# KiCad board RUSP_Mainboard_panelMockup.kicad_pcb (continued)
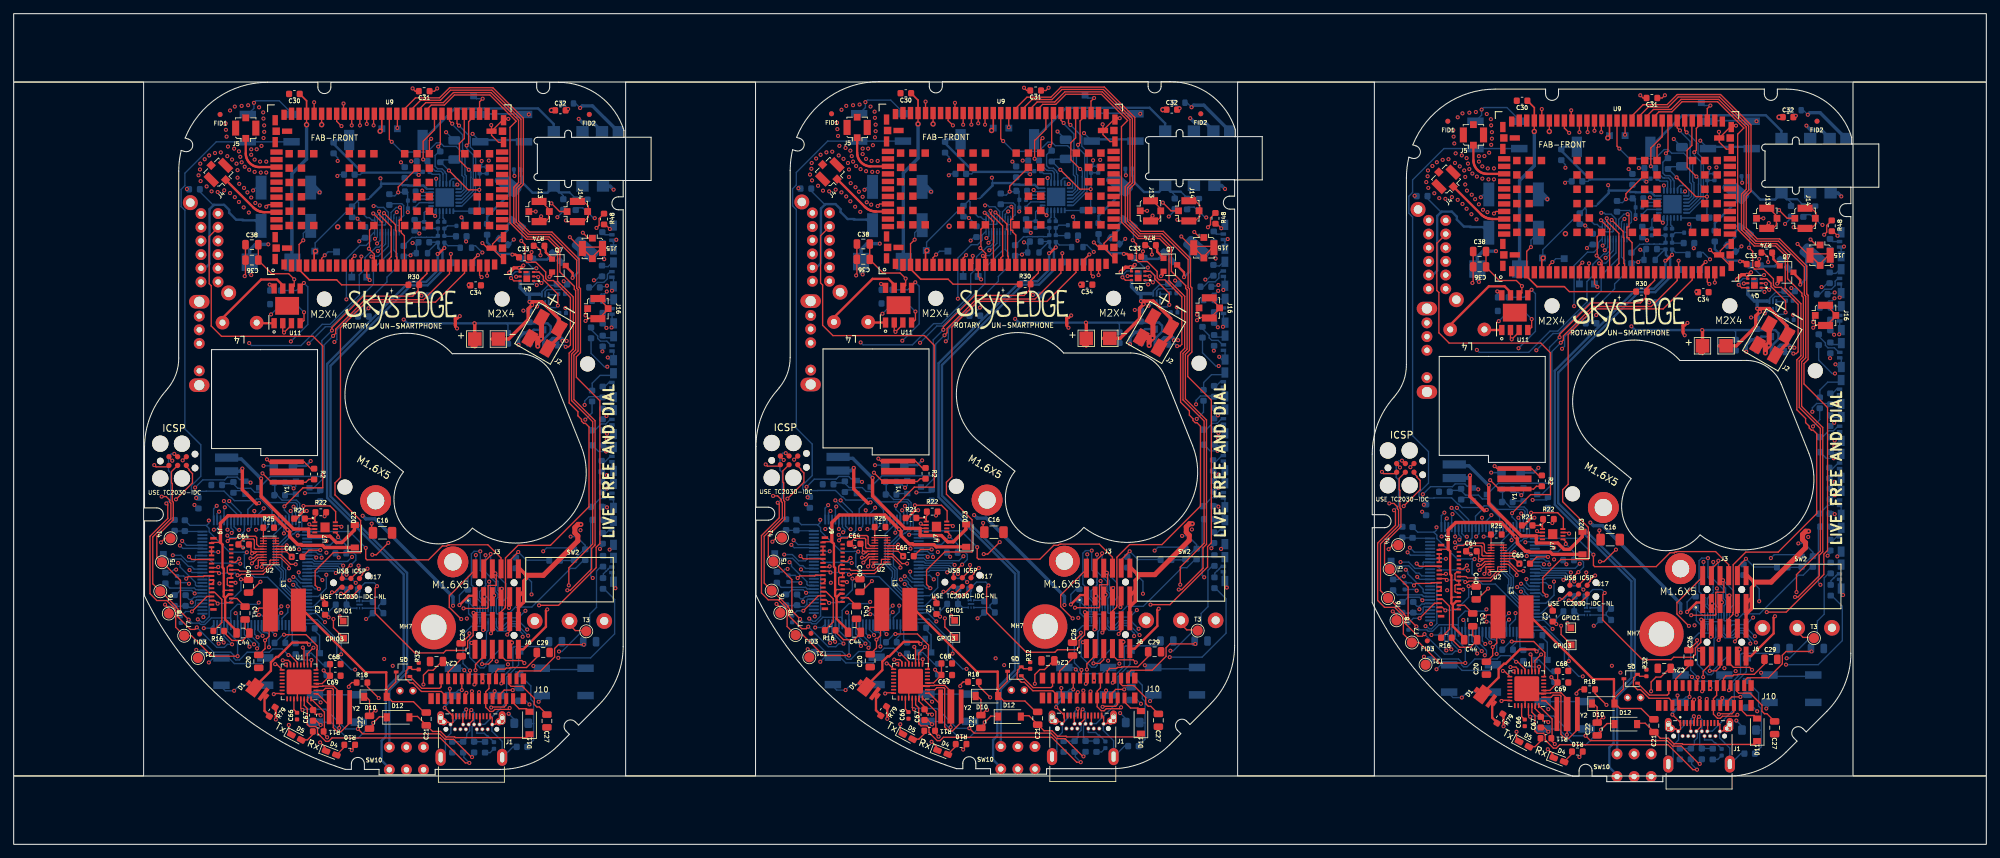
[diagram p0: board, top side]
## Routing (per net, layer and track width the routed paths; a pad name or vN(x,y) marks a point on that pad's centre or on a via; arc(x,y) is an arc through that point) (continued)
/LED_8A: length 259.3
  L3_3v8+GNDA.Cu w0.2: v1(44.26,41.96) 44.26,41.76 46.88,39.13 47.34,39.13 47.5,39.3 50.93,35.87 52.62,35.87 52.89,36.14 65.85,36.14 67.23,34.76 67.62,34.76 67.92,34.46 71.01,34.46 75.81,39.26 84.1,39.26 86.29,41.45 86.29,43.45 86.19,43.55 86.19,52.27 86.85,52.93 87.18,52.93 88.06,53.81 88.06,74.17 v1(86.69,75.54) ; v1(266.24,74.54) 267.61,73.17 267.61,52.82 266.73,51.94 266.4,51.94 265.74,51.28 265.74,42.56 265.84,42.46 265.84,40.46 263.65,38.27 255.36,38.27 250.56,33.47 247.47,33.47 247.17,33.77 246.78,33.77 245.4,35.15 232.44,35.15 232.17,34.88 230.48,34.88 227.05,38.31 226.89,38.14 226.43,38.14 223.81,40.77 v1(223.81,40.96) ; v1(133.68,42.06) 133.68,41.86 136.3,39.24 136.76,39.24 136.92,39.4 140.35,35.97 142.04,35.97 142.31,36.24 155.28,36.24 156.66,34.86 157.04,34.86 157.34,34.56 160.44,34.56 165.23,39.36 173.52,39.36 175.71,41.55 175.71,43.55 175.61,43.65 175.61,52.37 176.27,53.03 176.6,53.03 177.48,53.91 177.48,74.27 v1(176.11,75.64)
  L6_GND.Cu w0.2: v1(133.68,42.06) 133.37,42.36 132.31,42.36 ; v1(223.81,40.96) 223.5,41.27 222.44,41.27 ; v1(44.26,41.96) 43.95,42.26 42.89,42.26 ; 86.14,76.09 v1(86.69,75.54) ; 175.56,76.19 v1(176.11,75.64) ; 265.69,75.09 v1(266.24,74.54)
/LED_8R: length 280.8
  L3_3v8+GNDA.Cu w0.2: v1(176.16,80.96) 175.56,80.36 175.56,72.94 177.13,71.37 177.13,54.06 176.46,53.38 176.13,53.38 175.25,52.51 175.25,44.19 170.77,39.71 162.59,39.71 161.74,38.87 161.74,36.37 160.29,34.91 157.48,34.91 157.19,35.21 156.81,35.21 155.43,36.59 142.17,36.59 141.9,36.32 140.53,36.32 137.4,39.45 137.4,39.84 135.21,42.03 v1(134.46,42.03) ; v1(45.04,41.93) 45.79,41.93 47.98,39.73 47.98,39.35 51.11,36.22 52.47,36.22 52.74,36.49 66.01,36.49 67.39,35.11 67.76,35.11 68.06,34.81 70.87,34.81 72.32,36.27 72.32,38.77 73.17,39.61 81.35,39.61 85.83,44.09 85.83,52.4 86.7,53.28 87.04,53.28 87.71,53.95 87.71,71.27 86.14,72.84 86.14,80.26 v1(86.74,80.86) ; v1(266.29,79.87) 265.69,79.27 265.69,71.85 267.26,70.28 267.26,52.96 266.58,52.29 266.25,52.29 265.38,51.41 265.38,43.1 260.9,38.62 252.71,38.62 251.87,37.77 251.87,35.27 250.42,33.82 247.61,33.82 247.31,34.12 246.94,34.12 245.56,35.5 232.29,35.5 232.02,35.23 230.66,35.23 227.53,38.35 227.53,38.74 225.34,40.94 v1(224.59,40.94)
  L6_GND.Cu w0.2: v1(224.59,40.94) 224.59,41.36 224.53,41.42 224.12,41.42 223.77,41.77 222.44,41.77 ; v1(45.04,41.93) 45.04,42.35 44.98,42.41 44.58,42.41 44.23,42.76 42.89,42.76 ; v1(134.46,42.03) 134.46,42.45 134.4,42.51 134,42.51 133.65,42.86 132.31,42.86 ; v1(86.74,80.86) 86.67,80.86 86.67,80.76 86.39,80.49 85.94,80.49 85.57,80.12 85.24,80.12 84.64,79.51 ; 264.19,78.52 264.79,79.12 265.12,79.12 265.49,79.49 265.94,79.49 266.21,79.77 266.21,79.87 v1(266.29,79.87) ; v1(176.16,80.96) 176.09,80.96 176.09,80.86 175.81,80.59 175.36,80.59 174.99,80.22 174.67,80.22 174.06,79.61
/LED_9A: length 296.9
  L3_3v8+GNDA.Cu w0.2: v1(124.61,48.86) 126.51,46.96 130.23,46.96 131.25,45.94 139.24,45.94 147.87,37.31 155.81,37.31 156.46,36.66 157.81,36.66 158.03,36.88 158.48,36.88 158.7,36.66 159.04,36.66 162.44,40.06 170.63,40.06 174.84,44.27 174.84,80.46 v1(176.19,81.81) ; v1(86.77,81.71) 85.42,80.36 85.42,44.17 81.21,39.96 73.02,39.96 69.62,36.56 69.28,36.56 69.06,36.78 68.61,36.78 68.39,36.56 67.04,36.56 66.39,37.21 58.45,37.21 49.82,45.84 41.83,45.84 40.8,46.86 37.09,46.86 v1(35.19,48.76) ; v1(214.74,47.77) 216.64,45.87 220.35,45.87 221.38,44.84 229.37,44.84 238,36.22 245.94,36.22 246.59,35.57 247.94,35.57 248.16,35.79 248.61,35.79 248.83,35.57 249.17,35.57 252.57,38.97 260.76,38.97 264.97,43.18 264.97,79.36 v1(266.32,80.72)
  L6_GND.Cu w0.2: v1(35.19,48.76) 35.24,48.71 35.24,47.41 ; 265.49,80.57 266.17,80.57 v1(266.32,80.72) ; 85.94,81.56 86.62,81.56 v1(86.77,81.71) ; v1(176.19,81.81) 176.04,81.66 175.36,81.66 ; 124.66,47.51 124.66,48.81 v1(124.61,48.86) ; 214.79,46.42 214.79,47.72 v1(214.74,47.77)
/LED_9R: length 330
  L3_3v8+GNDA.Cu w0.2: v1(174.28,82.61) 171.57,79.9 171.57,64.99 172.38,64.19 172.38,64.14 172.7,63.82 172.74,63.82 174.45,62.11 174.45,44.38 170.48,40.41 162.3,40.41 158.9,37.01 158.85,37.01 158.63,37.23 157.88,37.23 157.67,37.01 156.71,37.01 156.06,37.66 148.01,37.66 138.37,47.31 135.91,47.31 135.45,46.84 134.34,46.84 133.67,47.51 126.94,47.51 123.44,51.01 120.09,51.01 119.11,50.04 v1(119.11,49.61) ; v1(84.86,82.51) 82.15,79.8 82.15,64.89 82.95,64.08 82.95,64.04 83.28,63.72 83.32,63.72 85.03,62.01 85.03,44.28 81.06,40.31 72.88,40.31 69.48,36.91 69.43,36.91 69.21,37.13 68.46,37.13 68.24,36.91 67.29,36.91 66.64,37.56 58.59,37.56 48.95,47.21 46.49,47.21 46.02,46.74 44.92,46.74 44.25,47.41 37.51,47.41 34.01,50.91 30.67,50.91 29.69,49.94 v1(29.69,49.51) ; v1(264.41,81.51) 261.7,78.8 261.7,63.9 262.5,63.09 262.5,63.04 262.83,62.72 262.87,62.72 264.58,61.02 264.58,43.28 260.61,39.32 252.43,39.32 249.02,35.92 248.97,35.92 248.76,36.13 248.01,36.13 247.79,35.92 246.84,35.92 246.19,36.57 238.14,36.57 228.5,46.21 226.04,46.21 225.57,45.75 224.47,45.75 223.8,46.42 217.06,46.42 213.56,49.92 210.21,49.92 209.24,48.94 v1(209.24,48.52)
  L6_GND.Cu w0.2: 118.66,47.51 118.66,49.16 v1(119.11,49.61) ; v1(264.41,81.51) 264.69,81.51 265.59,82.41 ; v1(84.86,82.51) 85.14,82.51 86.04,83.41 ; 29.24,47.41 29.24,49.06 v1(29.69,49.51) ; v1(209.24,48.52) 208.79,48.07 208.79,46.42 ; 175.46,83.51 174.56,82.61 v1(174.28,82.61)
/LED_10A: length 302.2
  L3_3v8+GNDA.Cu w0.2: v1(175.79,85.69) 175.79,85.26 171.22,80.69 171.22,64.8 174.1,61.92 174.1,44.8 172.81,43.51 145.67,43.51 144.43,44.75 142.98,44.75 137.08,50.66 127.39,50.66 v1(125.98,49.25) ; v1(86.37,85.59) 86.37,85.16 81.8,80.59 81.8,64.7 84.68,61.82 84.68,44.7 83.39,43.41 56.25,43.41 55.01,44.65 53.56,44.65 47.65,50.55 37.97,50.55 v1(36.56,49.14) ; v1(265.91,84.59) 265.91,84.17 261.35,79.6 261.35,63.71 264.23,60.83 264.23,43.71 262.94,42.42 235.8,42.42 234.56,43.66 233.11,43.66 227.2,49.56 217.52,49.56 v1(216.11,48.15)
  L6_GND.Cu w0.2: v1(125.98,49.25) 125.98,49.14 125.16,48.32 125.16,47.51 ; v1(175.79,85.69) 175.79,87.14 175.61,87.31 175.61,88.11 ; 265.74,87.02 265.74,86.22 265.91,86.04 v1(265.91,84.59) ; 215.29,46.42 215.29,47.23 216.11,48.05 v1(216.11,48.15) ; v1(36.56,49.14) 36.56,49.04 35.74,48.22 35.74,47.41 ; 86.19,88.01 86.19,87.21 86.37,87.04 v1(86.37,85.59)
/LED_10R: length 286.3
  L1_GND+GNDA.Cu w0.2: v1(264.79,89.17) 265.16,89.54 265.16,90.53 R48#3.2 ; v1(174.66,90.26) 175.04,90.64 175.04,91.62 R48#2.2 ; R48.2 85.61,91.52 85.61,90.54 v1(85.24,90.16)
  L2_3v3+GNDA.Cu w0.2: v1(229.03,41.04) 230.03,41.04 230.31,40.76 239.15,40.76 242.44,37.47 245.13,37.47 247.89,40.23 258,40.23 262.44,44.67 v1(262.44,44.96) ; v1(172.32,46.05) 172.32,45.77 167.87,41.32 157.77,41.32 155.01,38.56 152.32,38.56 149.02,41.86 140.18,41.86 139.9,42.14 v1(138.9,42.14) ; v1(49.48,42.04) 50.48,42.04 50.76,41.76 59.6,41.76 62.9,38.46 65.58,38.46 68.35,41.22 78.45,41.22 82.9,45.67 v1(82.9,45.95)
  L3_3v8+GNDA.Cu w0.2: v1(85.24,90.16) 85.24,84.68 81.45,80.89 81.45,64.35 83.25,62.55 83.05,62.35 83.05,60.76 84.29,59.52 84.29,47.35 v1(82.9,45.95) ; v1(264.79,89.17) 264.79,83.69 261,79.89 261,63.36 262.8,61.56 262.6,61.36 262.6,59.77 263.84,58.53 263.84,46.35 v1(262.44,44.96) ; v1(174.66,90.26) 174.66,84.78 170.87,80.99 170.87,64.46 172.67,62.65 172.47,62.45 172.47,60.86 173.71,59.62 173.71,47.45 v1(172.32,46.05)
  L6_GND.Cu w0.2: v1(138.9,42.14) 138.25,41.48 133.47,41.48 133.08,41.86 132.31,41.86 ; v1(229.03,41.04) 228.37,40.39 223.59,40.39 223.21,40.77 222.44,40.77 ; 42.89,41.76 43.66,41.76 44.04,41.38 48.82,41.38 v1(49.48,42.04)
/LED_BELL: length 4.3
  L6_GND.Cu w0.2: 41.24,32.11 42.19,32.11 42.54,31.76 ; 130.66,32.21 131.61,32.21 131.96,31.86 ; 220.79,31.12 221.74,31.12 222.09,30.77
/LED_FILAMENT: length 269.8
  L1_GND+GNDA.Cu w0.2: 255.9,86.55 256.59,85.86 v1(256.59,85.17) ; 165.78,87.64 166.46,86.96 v1(166.46,86.26) ; v1(77.04,86.16) 77.04,86.86 76.35,87.54
  L4_GND.Cu w0.2: v1(256.59,85.17) 256.29,84.87 254.07,84.87 252.38,83.18 231.39,83.18 227.31,79.1 227.31,71.84 226.14,70.66 226.14,53.37 222.55,49.77 ; 43.04,50.81 42.39,50.81 41.48,49.9 41.48,48.84 37.39,44.74 33.51,44.74 32.64,43.87 32.64,42.56 31.24,41.16 26.76,41.16 v1(25.72,40.11) ; 43,50.77 46.59,54.36 46.59,71.66 47.76,72.83 47.76,80.09 51.84,84.17 72.83,84.17 74.52,85.86 76.74,85.86 v1(77.04,86.16) ; 132.42,50.87 136.01,54.46 136.01,71.76 137.19,72.93 137.19,80.2 141.27,84.28 162.26,84.28 163.94,85.96 166.16,85.96 v1(166.46,86.26) ; v1(115.14,40.21) 116.19,41.26 120.66,41.26 122.06,42.66 122.06,43.97 122.93,44.84 126.81,44.84 130.9,48.94 130.9,50 131.81,50.91 132.46,50.91 ; 222.59,49.82 221.94,49.82 221.03,48.91 221.03,47.84 216.93,43.75 213.06,43.75 212.19,42.88 212.19,41.57 210.79,40.17 206.31,40.17 v1(205.26,39.12)
  L6_GND.Cu w0.2: 207.14,38.77 205.62,38.77 v1(205.26,39.12) ; 27.59,39.76 26.07,39.76 v1(25.72,40.11) ; 117.01,39.86 115.49,39.86 v1(115.14,40.21)
/LED_STAT: length 299
  L4_GND.Cu w0.2: v1(76.44,84.26) 73.29,81.11 72.14,81.11 72.04,81.21 49.38,81.21 48.11,79.95 48.11,72.69 46.94,71.51 46.94,54.18 42.81,50.04 42.12,50.04 41.83,49.76 41.83,46.99 39.77,44.93 39.77,44.49 38.84,43.56 38.84,42.06 35.06,38.28 34.19,38.28 31.67,35.76 29.49,35.76 26.93,33.2 v1(26.93,32.91) ; v1(206.48,31.92) 206.48,32.21 209.04,34.77 211.22,34.77 213.74,37.29 214.61,37.29 218.39,41.07 218.39,42.57 219.32,43.5 219.32,43.94 221.38,46 221.38,48.76 221.66,49.05 222.36,49.05 226.49,53.18 226.49,70.52 227.66,71.69 227.66,78.96 228.92,80.22 251.59,80.22 251.69,80.12 252.84,80.12 v1(255.99,83.27) ; v1(165.86,84.36) 162.71,81.21 161.56,81.21 161.46,81.31 138.8,81.31 137.54,80.05 137.54,72.79 136.36,71.61 136.36,54.28 132.23,50.15 131.54,50.15 131.25,49.86 131.25,47.1 129.19,45.04 129.19,44.59 128.26,43.66 128.26,42.16 124.48,38.38 123.61,38.38 121.09,35.86 118.91,35.86 116.35,33.3 v1(116.35,33.01)
  L6_GND.Cu w0.2: v1(76.44,84.26) 75.94,84.26 75.14,85.06 75,85.06 R44.2 ; R44#2.2 254.55,84.07 254.69,84.07 255.49,83.27 v1(255.99,83.27) ; 207.39,38.27 208.09,38.27 208.14,38.22 208.14,32.29 207.37,31.52 207.02,31.52 206.82,31.72 206.68,31.72 v1(206.48,31.92) ; R44#3.2 164.42,85.16 164.56,85.16 165.36,84.36 v1(165.86,84.36) ; v1(26.93,32.91) 27.13,32.71 27.28,32.71 27.47,32.51 27.82,32.51 28.59,33.29 28.59,39.21 28.54,39.26 27.84,39.26 ; 117.26,39.36 117.96,39.36 118.01,39.31 118.01,33.39 117.24,32.62 116.89,32.62 116.7,32.81 116.55,32.81 v1(116.35,33.01)
/MCURX-TO-FTDITX: length 8.5
  L6_GND.Cu w0.2: 40.74,32.06 40.74,29.86 41.19,29.41 ; 130.16,32.16 130.16,29.96 130.61,29.51 ; 220.29,31.07 220.29,28.87 220.74,28.42
/MCUTX-TO-FTDIRX: length 8
  L6_GND.Cu w0.2: U4#3.3 129.69,30.7 128.85,29.86 ; 39.43,29.76 40.26,30.6 U4#2.3 ; U4.3 219.81,29.61 218.97,28.77
/MISO: length 295.9
  L1_GND+GNDA.Cu w0.2: v1(116.2,31.84) 115.9,31.54 115.26,31.54 113.46,33.33 113.46,34.49 113.21,34.74 113.21,34.86 110.91,37.16 ; T6.1 20.34,38.11 20.34,44.96 22.99,47.61 22.99,49.9 22.84,50.05 22.84,50.34 22.32,50.86 v1(21.64,50.86) ; 21.49,37.06 23.79,34.76 23.79,34.64 24.04,34.39 24.04,33.23 25.83,31.44 26.48,31.44 v1(26.78,31.74) ; v1(70.28,36.4) 70.1,36.23 J3.5 ; v1(206.33,30.74) 206.03,30.44 205.38,30.44 203.59,32.24 203.59,33.39 203.34,33.64 203.34,33.77 201.04,36.07 ; v1(249.82,35.4) 249.65,35.23 J3#2.5 ; v1(201.19,49.87) 201.86,49.87 202.39,49.34 202.39,49.06 202.54,48.91 202.54,46.62 199.89,43.97 199.89,37.12 T6#3.1 ; 202.26,54.43 202.05,54.22 200.36,54.22 v1(200.11,54.47) ; J7.1 22.5,55.22 20.81,55.22 v1(20.56,55.47) ; v1(159.7,36.5) 159.52,36.33 J3#3.5 ; J7#3.1 111.92,55.32 110.24,55.32 v1(109.98,55.57) ; v1(111.06,50.96) 111.74,50.96 112.26,50.44 112.26,50.15 112.41,50 112.41,47.71 109.76,45.06 109.76,38.21 T6#2.1
  L2_3v3+GNDA.Cu w0.2: v1(121.36,29.36) 121.79,29.36 126.35,24.8 129.89,24.8 130.56,25.46 133.77,25.46 137.22,28.92 143.74,28.92 146.7,25.96 153.27,25.96 154.57,27.26 157.4,27.26 157.55,27.41 159.52,27.41 v1(160.06,26.86) ; v1(21.64,50.86) 23.04,52.26 23.04,54.16 21.99,55.22 20.81,55.22 v1(20.56,55.47) ; v1(109.98,55.57) 110.24,55.32 111.41,55.32 112.46,54.26 112.46,52.36 v1(111.06,50.96) ; v1(70.64,26.76) 70.09,27.31 68.12,27.31 67.98,27.16 65.14,27.16 63.85,25.86 57.27,25.86 54.32,28.82 47.8,28.82 44.34,25.36 41.13,25.36 40.47,24.7 36.93,24.7 32.36,29.26 v1(31.94,29.26) ; v1(250.19,25.77) 249.64,26.31 247.67,26.31 247.53,26.17 244.69,26.17 243.39,24.87 236.82,24.87 233.87,27.82 227.35,27.82 223.89,24.37 220.68,24.37 220.02,23.7 216.48,23.7 211.91,28.27 v1(211.49,28.27) ; v1(200.11,54.47) 200.36,54.22 201.53,54.22 202.59,53.17 202.59,51.27 v1(201.19,49.87)
  L5_3v8.Cu w0.2: v1(159.7,36.5) 160.18,36.01 160.18,30.03 160.01,29.86 160.01,27.11 ; 250.14,26.02 250.14,28.76 250.31,28.93 250.31,34.92 v1(249.82,35.4) ; 250.14,26.02 250.14,25.66 ; 250.14,26.02 250.14,26.02 ; 70.59,27.01 70.59,26.66 ; 70.59,27.01 70.59,27.01 ; 70.59,27.01 70.59,29.76 70.76,29.93 70.76,35.91 v1(70.28,36.4) ; 160.01,27.11 160.01,26.76 ; 160.01,27.11 160.01,27.11
  L6_GND.Cu w0.2: U4#2.22 30.76,30.44 v1(31.94,29.26) 31.27,29.26 30.82,28.81 29.71,28.81 v1(26.78,31.74) ; U4#3.22 120.19,30.54 v1(121.36,29.36) 120.69,29.36 120.24,28.91 119.13,28.91 v1(116.2,31.84) ; v1(206.33,30.74) 209.26,27.82 210.37,27.82 210.81,28.27 v1(211.49,28.27) 210.31,29.44 U4.22
/MOSI: length 402
  L1_GND+GNDA.Cu w0.2: v1(112.91,57.21) 113.33,56.8 113.4,56.8 ; v1(159.18,42.57) 159.18,42.37 158.16,41.34 158.16,40.4 ; 68.74,40.3 68.74,41.24 69.76,42.27 v1(69.76,42.47) ; U2.14 216.01,42.59 215.99,42.57 215.4,42.57 215.09,42.88 215.09,43.87 214.89,44.07 212.39,44.07 212.04,43.72 211.19,43.72 v1(210.84,43.37) ; v1(23.49,57.11) 23.91,56.7 J7.4 ; v1(212.3,26.52) 208.54,26.52 205.55,29.52 T7#2.1 203.24,30.77 203.24,33.25 202.99,33.5 202.99,33.62 201.94,34.67 200.49,34.67 199.49,35.67 199.49,44.07 202.09,46.67 202.09,48.65 v1(201.87,48.87) ; v1(120.71,44.46) 121.06,44.81 121.91,44.81 122.26,45.16 124.76,45.16 124.96,44.96 124.96,43.97 125.27,43.66 125.86,43.66 125.88,43.68 U2#3.14 ; J7#2.4 203.45,55.7 v1(203.04,56.12) ; v1(22.32,49.86) 22.54,49.65 22.54,47.66 19.94,45.06 19.94,36.66 20.94,35.66 22.4,35.66 23.44,34.62 23.44,34.49 23.69,34.24 23.69,31.76 T7.1 26,30.51 29,27.52 v1(32.75,27.52) ; v1(122.17,27.62) 118.42,27.62 115.42,30.61 T7#3.1 113.11,31.86 113.11,34.34 112.86,34.59 112.86,34.72 111.82,35.76 110.36,35.76 109.36,36.76 109.36,45.16 111.96,47.76 111.96,49.75 v1(111.75,49.96) ; J3#2.4 248.28,40.25 249.31,41.27 v1(249.31,41.47) ; v1(31.29,44.36) 31.64,44.71 32.49,44.71 32.84,45.06 35.34,45.06 35.54,44.86 35.54,43.87 35.85,43.56 36.44,43.56 36.46,43.58 U2#2.14
  L2_3v3+GNDA.Cu w0.2: v1(31.29,44.36) 31.44,44.21 31.44,40.76 31.3,40.62 31.3,28.96 v1(32.75,27.52) 36.62,23.64 40.9,23.64 41.57,24.31 46.1,24.31 47.9,26.11 53.19,26.11 v1(54.19,27.11) ; v1(210.84,43.37) 210.99,43.22 210.99,39.77 210.85,39.63 210.85,27.97 v1(212.3,26.52) 216.17,22.65 220.45,22.65 221.12,23.32 225.65,23.32 227.45,25.12 232.74,25.12 v1(233.74,26.12) ; v1(143.61,27.21) 142.61,26.21 137.32,26.21 135.52,24.41 130.99,24.41 130.32,23.74 126.04,23.74 v1(122.17,27.62) 120.72,29.06 120.72,40.72 120.86,40.86 120.86,44.31 v1(120.71,44.46)
  L3_3v8+GNDA.Cu w0.2: v1(143.61,27.21) 143.91,27.51 152.71,27.51 155.01,29.81 155.01,32.02 155.7,32.7 v1(155.7,33.12) ; v1(233.74,26.12) 234.04,26.42 242.84,26.42 245.14,28.72 245.14,30.92 245.82,31.6 v1(245.82,32.03) ; v1(66.27,33.02) 66.27,32.6 65.59,31.91 65.59,29.71 63.29,27.41 54.49,27.41 v1(54.19,27.11)
  L5_3v8.Cu w0.2: v1(155.7,33.12) 155.77,33.2 155.77,34.37 155.84,34.44 155.84,34.71 158.01,36.88 158.13,36.88 159.51,38.26 159.51,38.81 159.18,39.14 v1(159.18,42.57) ; v1(69.76,42.47) 69.76,39.03 70.09,38.71 70.09,38.16 68.71,36.78 68.58,36.78 66.42,34.61 66.42,34.34 66.35,34.27 66.35,33.1 v1(66.27,33.02) ; v1(245.82,32.03) 245.9,32.1 245.9,33.28 245.96,33.34 245.96,33.62 248.13,35.79 248.26,35.79 249.64,37.16 249.64,37.71 249.31,38.04 v1(249.31,41.47)
  L6_GND.Cu w0.18: U8.19 70.99,35.8 ; U8#2.19 250.54,34.81 ; U8#3.19 160.41,35.91
  L6_GND.Cu w0.2: v1(32.75,27.52) 32.75,29.65 31.24,31.16 31.24,32.11 ; v1(159.18,42.57) 159.18,39.63 160.25,38.57 160.25,37.22 160.6,36.87 160.6,36.09 160.41,35.91 ; v1(69.76,42.47) 69.76,39.53 70.82,38.47 70.82,37.12 71.18,36.77 71.18,35.99 70.99,35.8 ; v1(23.49,57.11) 23.07,57.11 22.64,56.69 22.64,54.66 22.99,54.31 22.99,50.53 v1(22.32,49.86) ; v1(249.31,41.47) 249.31,38.54 250.37,37.47 250.37,36.13 250.72,35.78 250.72,35 250.54,34.81 ; v1(122.17,27.62) 122.17,29.75 120.66,31.26 120.66,32.21 ; v1(201.87,48.87) 202.54,49.54 202.54,53.32 202.19,53.66 202.19,55.7 202.61,56.12 v1(203.04,56.12) ; v1(112.91,57.21) 112.49,57.21 112.07,56.79 112.07,54.76 112.41,54.41 112.41,50.63 v1(111.75,49.96) ; 210.79,31.12 210.79,30.17 212.3,28.66 v1(212.3,26.52)
/NET_STAT: length 211.9
  L1_GND+GNDA.Cu w0.2: v1(224.19,36.37) 223.64,36.92 223.64,39.02 226.29,41.67 230.29,41.67 230.29,46.37 226.54,50.12 226.54,51.87 227.34,52.67 227.34,74.57 231.09,78.32 241.24,78.32 245.49,82.57 U9#2.25 ; U9.25 65.94,83.56 61.69,79.31 51.54,79.31 47.79,75.56 47.79,53.66 46.99,52.86 46.99,51.11 50.74,47.36 50.74,42.66 46.74,42.66 44.09,40.01 44.09,37.91 v1(44.64,37.36) ; 65.94,84.06 65.94,84.86 ; v1(134.06,37.46) 133.51,38.01 133.51,40.11 136.16,42.76 140.16,42.76 140.16,47.46 136.41,51.21 136.41,52.96 137.21,53.76 137.21,75.66 140.96,79.41 151.11,79.41 155.36,83.66 U9#3.25 ; 155.36,84.16 155.36,84.96 ; 245.49,83.07 245.49,83.87
  L6_GND.Cu w0.2: 132.39,37.89 133.06,37.89 133.48,37.46 v1(134.06,37.46) ; v1(224.19,36.37) 223.61,36.37 223.19,36.79 222.51,36.79 ; v1(44.64,37.36) 44.06,37.36 43.64,37.79 42.97,37.79
/OFFSIGNAL: length 187.3
  L1_GND+GNDA.Cu w0.2: 29.94,90.26 28.59,88.91 28.59,82.01 28.89,81.71 28.89,75.81 30.39,74.31 43.79,74.31 45.21,72.89 45.21,52.15 42.3,52.15 v1(39.59,49.44) ; v1(219.14,48.44) 221.85,51.15 224.76,51.15 224.76,71.9 223.34,73.32 209.94,73.32 208.44,74.82 208.44,80.71 208.14,81.01 208.14,87.92 209.49,89.27 ; 119.36,90.36 118.01,89.01 118.01,82.11 118.31,81.81 118.31,75.91 119.81,74.41 133.21,74.41 134.63,73 134.63,52.25 131.72,52.25 v1(129.01,49.54)
  L6_GND.Cu w0.2: v1(219.14,48.44) 219.14,47.88 219.79,47.23 219.79,46.42 ; v1(39.59,49.44) 39.59,48.88 40.24,48.23 40.24,47.41 ; v1(129.01,49.54) 129.01,48.98 129.66,48.33 129.66,47.51
/OLED DRIVER/OLED_CS_3V3: length 31
  L1_GND+GNDA.Cu w0.18: v1(122.16,39.46) 122.38,39.46 122.44,39.4 122.5,39.4 122.7,39.6 125.9,39.6 127.58,41.28 U2#3.1 ; v1(212.29,38.37) 212.51,38.37 212.57,38.31 212.63,38.31 212.83,38.51 216.03,38.51 217.71,40.19 217.82,40.19 ; v1(32.74,39.36) 32.96,39.36 33.02,39.3 33.08,39.3 33.28,39.5 36.48,39.5 38.16,41.18 U2#2.1
  L1_GND+GNDA.Cu w0.2: J9#2.17 209.39,38.87 v1(209.59,38.67) ; v1(119.46,39.76) 119.26,39.96 J9#3.17 ; J9.17 29.84,39.86 v1(30.04,39.66)
  L6_GND.Cu w0.18: v1(119.46,39.76) 121.86,39.76 v1(122.16,39.46) ; v1(212.29,38.37) 211.99,38.67 v1(209.59,38.67) ; v1(32.74,39.36) 32.44,39.66 v1(30.04,39.66)
/OLED DRIVER/OLED_DC_3V3: length 44.6
  L1_GND+GNDA.Cu w0.18: 208.49,39.47 209.19,39.47 209.29,39.57 v1(209.46,39.57) ; v1(219.82,39.38) 219.82,39.71 218.56,40.97 217.99,40.97 217.97,40.99 U2.3 ; v1(40.27,40.38) 40.27,40.7 39.01,41.96 38.44,41.96 38.42,41.98 U2#2.3 ; v1(119.34,40.66) 119.16,40.66 119.06,40.56 J9#3.19 ; U2#3.3 127.84,42.08 127.86,42.06 128.43,42.06 129.69,40.8 v1(129.69,40.48) ; J9.19 29.64,40.46 29.74,40.56 v1(29.92,40.56)
  L3_3v8+GNDA.Cu w0.18: v1(119.34,40.66) 119.84,40.16 123.65,40.16 124.05,39.76 126.12,39.76 126.65,40.29 127.09,40.29 127.12,40.26 129.47,40.26 v1(129.69,40.48) ; v1(29.92,40.56) 30.42,40.06 34.22,40.06 34.62,39.66 36.7,39.66 37.22,40.19 37.67,40.19 37.7,40.16 40.05,40.16 v1(40.27,40.38) ; v1(219.82,39.38) 219.6,39.17 217.25,39.17 217.22,39.19 216.77,39.19 216.25,38.67 214.17,38.67 213.77,39.07 209.97,39.07 v1(209.46,39.57)
/OLED DRIVER/OLED_IREF: length 21.1
  L1_GND+GNDA.Cu w0.2: R16#2.1 119.86,32.55 119.86,35.91 118.81,36.96 J9#3.7 ; R16.1 30.44,32.45 30.44,35.81 29.39,36.86 J9.7 ; J9#2.7 208.94,35.87 209.99,34.82 209.99,31.45 R16#3.1
/OLED DRIVER/OLED_MOSI_3V3: length 62.2
  L1_GND+GNDA.Cu w0.2: v1(129.36,43.83) 129.21,43.68 U2#3.7 ; J9#2.23 205.59,40.67 v1(205.19,41.07) ; v1(25.64,42.06) 26.04,41.66 J9.23 ; v1(115.06,42.16) 115.46,41.76 J9#3.23 ; U2#2.7 39.79,43.58 v1(39.94,43.73) ; U2.7 219.34,42.59 v1(219.49,42.74)
  L3_3v8+GNDA.Cu w0.2: v1(115.06,42.16) 116.16,42.16 117.41,43.41 120.44,43.41 121.19,44.16 121.86,44.16 122.26,44.56 128.63,44.56 v1(129.36,43.83) ; v1(205.19,41.07) 206.29,41.07 207.54,42.32 210.57,42.32 211.32,43.07 211.99,43.07 212.39,43.47 218.76,43.47 v1(219.49,42.74) ; v1(39.94,43.73) 39.21,44.46 32.84,44.46 32.44,44.06 31.77,44.06 31.02,43.31 27.99,43.31 26.74,42.06 v1(25.64,42.06)
/OLED DRIVER/OLED_RES_3V3: length 22.7
  L1_GND+GNDA.Cu w0.18: 212.6,38.97 215.99,38.97 217.03,40.01 217.03,40.52 217.1,40.59 U2.2 ; 122.48,40.06 125.86,40.06 126.9,41.1 126.9,41.61 126.97,41.68 U2#3.2 ; 33.05,39.96 36.44,39.96 37.48,41 37.48,41.51 37.55,41.58 U2#2.2
  L1_GND+GNDA.Cu w0.2: J9.18 32.85,40.16 33.05,39.96 ; J9#3.18 122.28,40.26 122.48,40.06 ; 212.6,38.97 212.4,39.17 J9#2.18
/OLED DRIVER/OLED_SCL_3V3: length 43.7
  L1_GND+GNDA.Cu w0.2: U2.4 218.62,41.39 220.04,39.97 v1(220.79,39.97) ; v1(122.4,41.88) 121.88,41.36 121.36,41.36 121.26,41.46 J9#3.22 ; U2#3.4 128.49,42.48 129.91,41.06 v1(130.66,41.06) ; J9.22 31.84,41.36 31.94,41.26 32.46,41.26 v1(32.98,41.78) ; v1(41.24,40.96) 40.49,40.96 39.07,42.38 U2#2.4 ; J9#2.22 211.39,40.37 211.49,40.27 212.01,40.27 v1(212.53,40.79)
  L3_3v8+GNDA.Cu w0.2: 32.9,41.86 33.17,41.6 33.37,41.6 33.69,41.28 33.69,41.08 34.76,40 36.56,40 37.52,40.96 v1(41.24,40.96) ; v1(130.66,41.06) 126.94,41.06 125.98,40.1 124.19,40.1 123.11,41.18 123.11,41.38 122.79,41.7 122.59,41.7 122.33,41.96 ; v1(220.79,39.97) 217.07,39.97 216.11,39.01 214.31,39.01 213.24,40.08 213.24,40.28 212.92,40.61 212.71,40.61 212.45,40.87
/OLED DRIVER/OLED_VCOMH: length 7.6
  L1_GND+GNDA.Cu w0.2: 211.36,34.97 212.19,34.97 C41#2.1 ; J9.4 32.64,35.96 C41.1 ; J9#3.4 122.06,36.06 C41#3.1
/OLED DRIVER/OLED_VLOGIC: length 17.1
  L1_GND+GNDA.Cu w0.2: J9.5 28.27,36.26 v1(26.06,34.06) ; J9#3.5 117.69,36.36 v1(115.49,34.16) ; v1(205.61,33.06) 207.82,35.27 J9#2.5
  L6_GND.Cu w0.2: C45#3.2 204.7,33.06 v1(205.61,33.06) ; v1(115.49,34.16) 114.57,34.16 C45#2.2 ; C45.2 25.15,34.06 v1(26.06,34.06)
/OLED DRIVER/OLED_VP: length 24.2
  L1_GND+GNDA.Cu w0.2: J9#2.3 208.94,34.67 v1(209.39,34.22) ; v1(33.24,38.76) 33.3,38.7 C40.1 ; J9.3 29.39,35.66 v1(29.84,35.21) ; C40#3.1 122.72,38.8 v1(122.66,38.86) ; v1(212.79,37.77) 212.85,37.7 C40#2.1 ; v1(119.26,35.31) 118.81,35.76 J9#3.3
  L6_GND.Cu w0.2: v1(33.24,38.76) 33.24,37.14 31.36,35.26 29.84,35.26 v1(29.84,35.21) ; v1(212.79,37.77) 212.79,36.14 210.91,34.27 209.39,34.27 v1(209.39,34.22) ; v1(119.26,35.31) 119.26,35.36 120.79,35.36 122.66,37.24 v1(122.66,38.86)
/OLED_CS: length 48
  L1_GND+GNDA.Cu w0.2: v1(36.28,40.56) 36.28,40.94 U2#2.20 ; U2#3.20 125.7,41.04 v1(125.7,40.66) ; v1(215.83,39.57) 215.83,39.95 216.07,40.19
  L2_3v3+GNDA.Cu w0.2: v1(135.16,44.46) 135.06,44.36 134.36,44.36 134.34,44.38 127.28,44.38 125.7,42.8 v1(125.7,40.66) ; v1(45.74,44.36) 45.64,44.26 44.94,44.26 44.92,44.28 37.86,44.28 36.28,42.7 v1(36.28,40.56) ; v1(225.29,43.37) 225.19,43.27 224.49,43.27 224.47,43.29 217.41,43.29 215.83,41.71 v1(215.83,39.57)
  L6_GND.Cu w0.2: U4.78 224.91,43.74 v1(225.29,43.37) ; U4#2.78 45.37,44.74 v1(45.74,44.36) ; U4#3.78 134.79,44.84 v1(135.16,44.46)
/OLED_DC: length 46.2
  L1_GND+GNDA.Cu w0.2: v1(124.26,41.2) 125.12,42.06 125.66,42.06 125.68,42.08 U2#3.18 ; v1(34.84,41.1) 35.7,41.96 36.24,41.96 36.26,41.98 U2#2.18 ; v1(214.39,40.11) 215.25,40.97 215.79,40.97 215.81,40.99 U2.18
  L5_3v8.Cu w0.2: v1(124.26,41.2) 123.52,41.2 123.46,41.26 123.46,42.1 121.7,43.86 120.41,43.86 120.06,44.21 120.06,46.27 120.36,46.57 120.36,49.46 v1(120.3,49.4) ; v1(34.84,41.1) 34.1,41.1 34.04,41.16 34.04,42 32.28,43.76 30.99,43.76 30.64,44.11 30.64,46.16 30.94,46.46 30.94,49.36 v1(30.88,49.3) ; v1(210.43,48.3) 210.49,48.37 210.49,45.47 210.19,45.17 210.19,43.12 210.54,42.77 211.82,42.77 213.59,41 213.59,40.17 213.65,40.11 v1(214.39,40.11)
  L6_GND.Cu w0.2: v1(120.3,49.4) 120.19,49.29 U4#3.54 ; U4.54 210.31,48.19 v1(210.43,48.3) ; U4#2.54 30.76,49.19 v1(30.88,49.3)
/OLED_RES: length 40.5
  L1_GND+GNDA.Cu w0.2: U2#3.19 125.25,41.68 125.19,41.62 125.19,40.89 v1(124.95,40.65) ; U2#2.19 35.83,41.58 35.77,41.52 35.77,40.79 v1(35.53,40.55) ; v1(215.08,39.56) 215.32,39.8 215.32,40.53 215.38,40.59 U2.19
  L5_3v8.Cu w0.2: v1(215.08,39.56) 213.7,39.56 213.24,40.02 213.24,40.86 212.68,41.42 211.34,41.42 209.14,43.62 209.14,44.32 208.79,44.67 208.79,44.99 v1(208.83,45.03) ; v1(124.95,40.65) 123.57,40.65 123.11,41.11 123.11,41.95 122.55,42.51 121.21,42.51 119.01,44.71 119.01,45.41 118.66,45.76 118.66,46.08 v1(118.7,46.12) ; v1(29.28,46.02) 29.24,45.98 29.24,45.66 29.59,45.31 29.59,44.61 31.79,42.41 33.13,42.41 33.69,41.85 33.69,41.01 34.15,40.55 v1(35.53,40.55)
  L6_GND.Cu w0.2: U4#3.53 119.69,47.49 119.66,47.46 119.66,46.79 119,46.12 v1(118.7,46.12) ; U4#2.53 30.26,47.39 30.24,47.36 30.24,46.68 29.58,46.02 v1(29.28,46.02) ; v1(208.83,45.03) 209.13,45.03 209.79,45.69 209.79,46.37 209.81,46.39 U4.53